# Altium PCB IOTLoRaSmartGreenhouseNode.PcbDoc
Units mil, origin at the board's own origin, x right, y up, seen from the top; angles counter-clockwise.
Board outline 3300 x 2600 mil, 2 copper layers (Top Layer, Bottom Layer); 21 components, 22 nets, 109 pads, 12 vias.
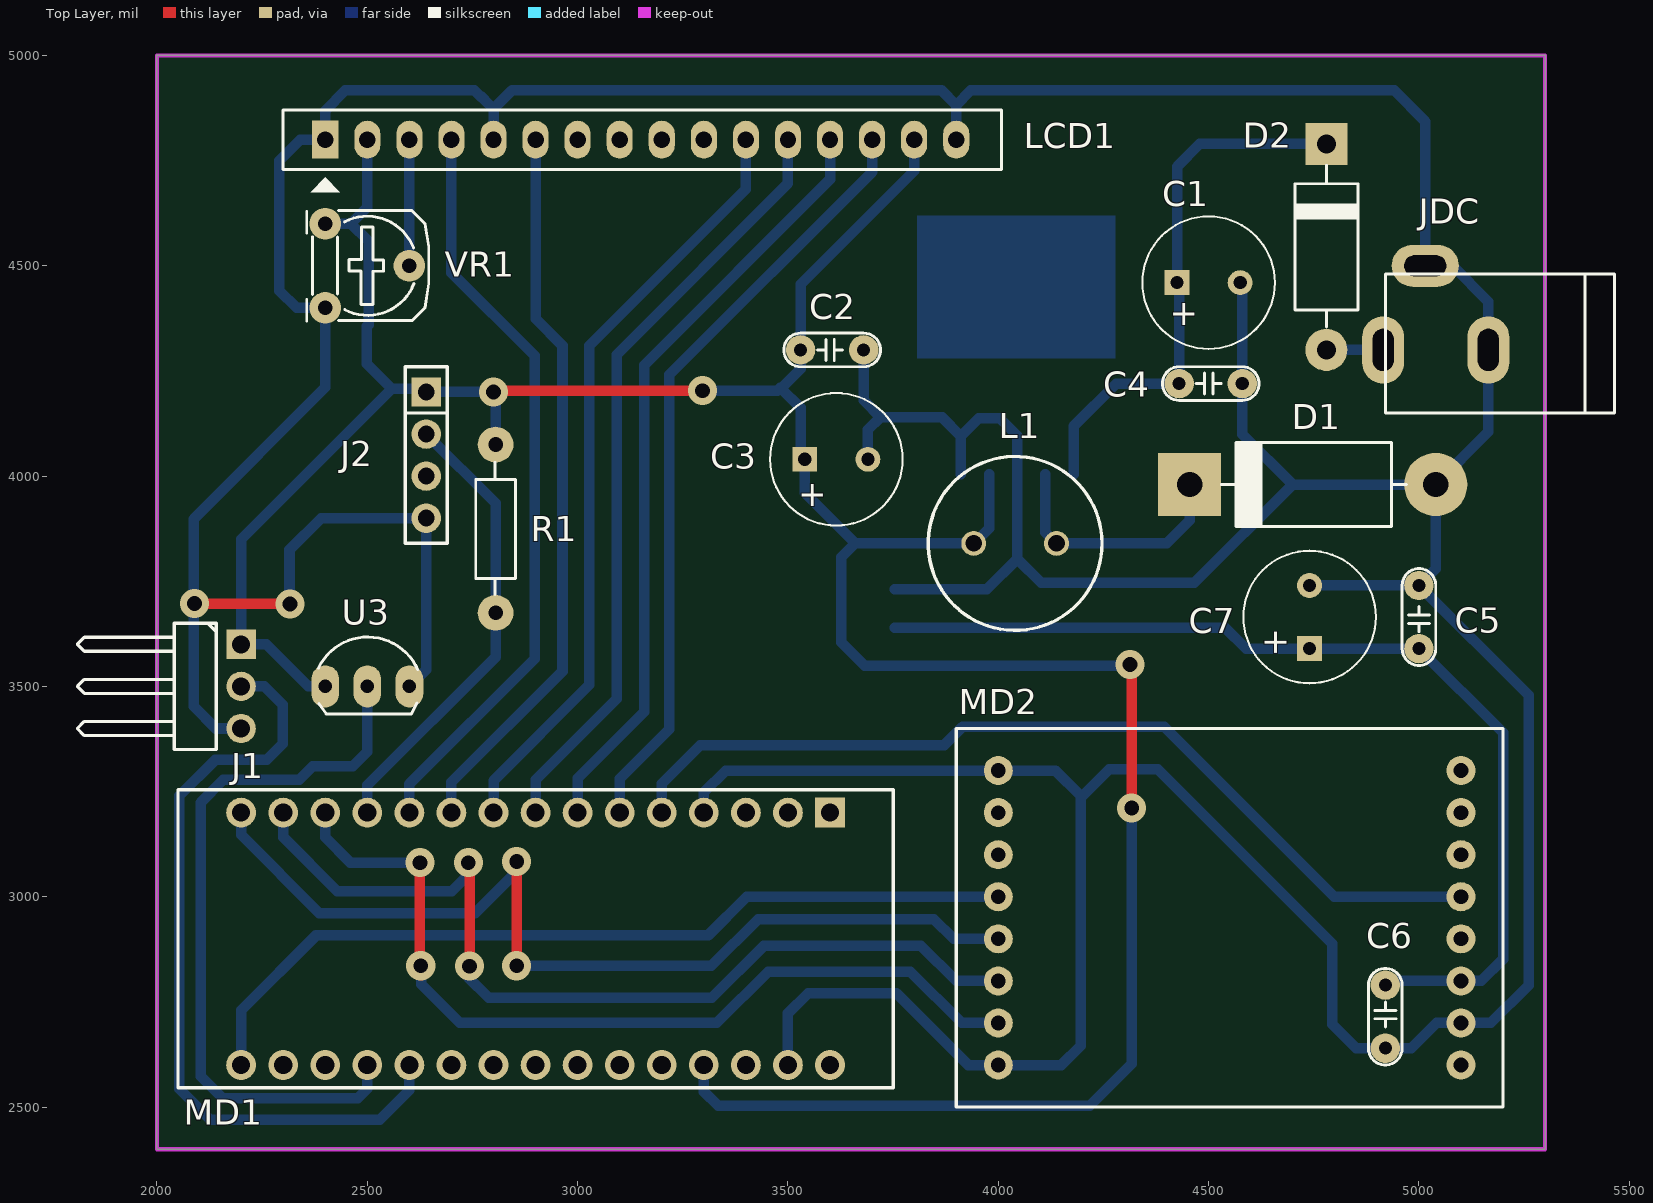
[diagram p0: Top Layer view]
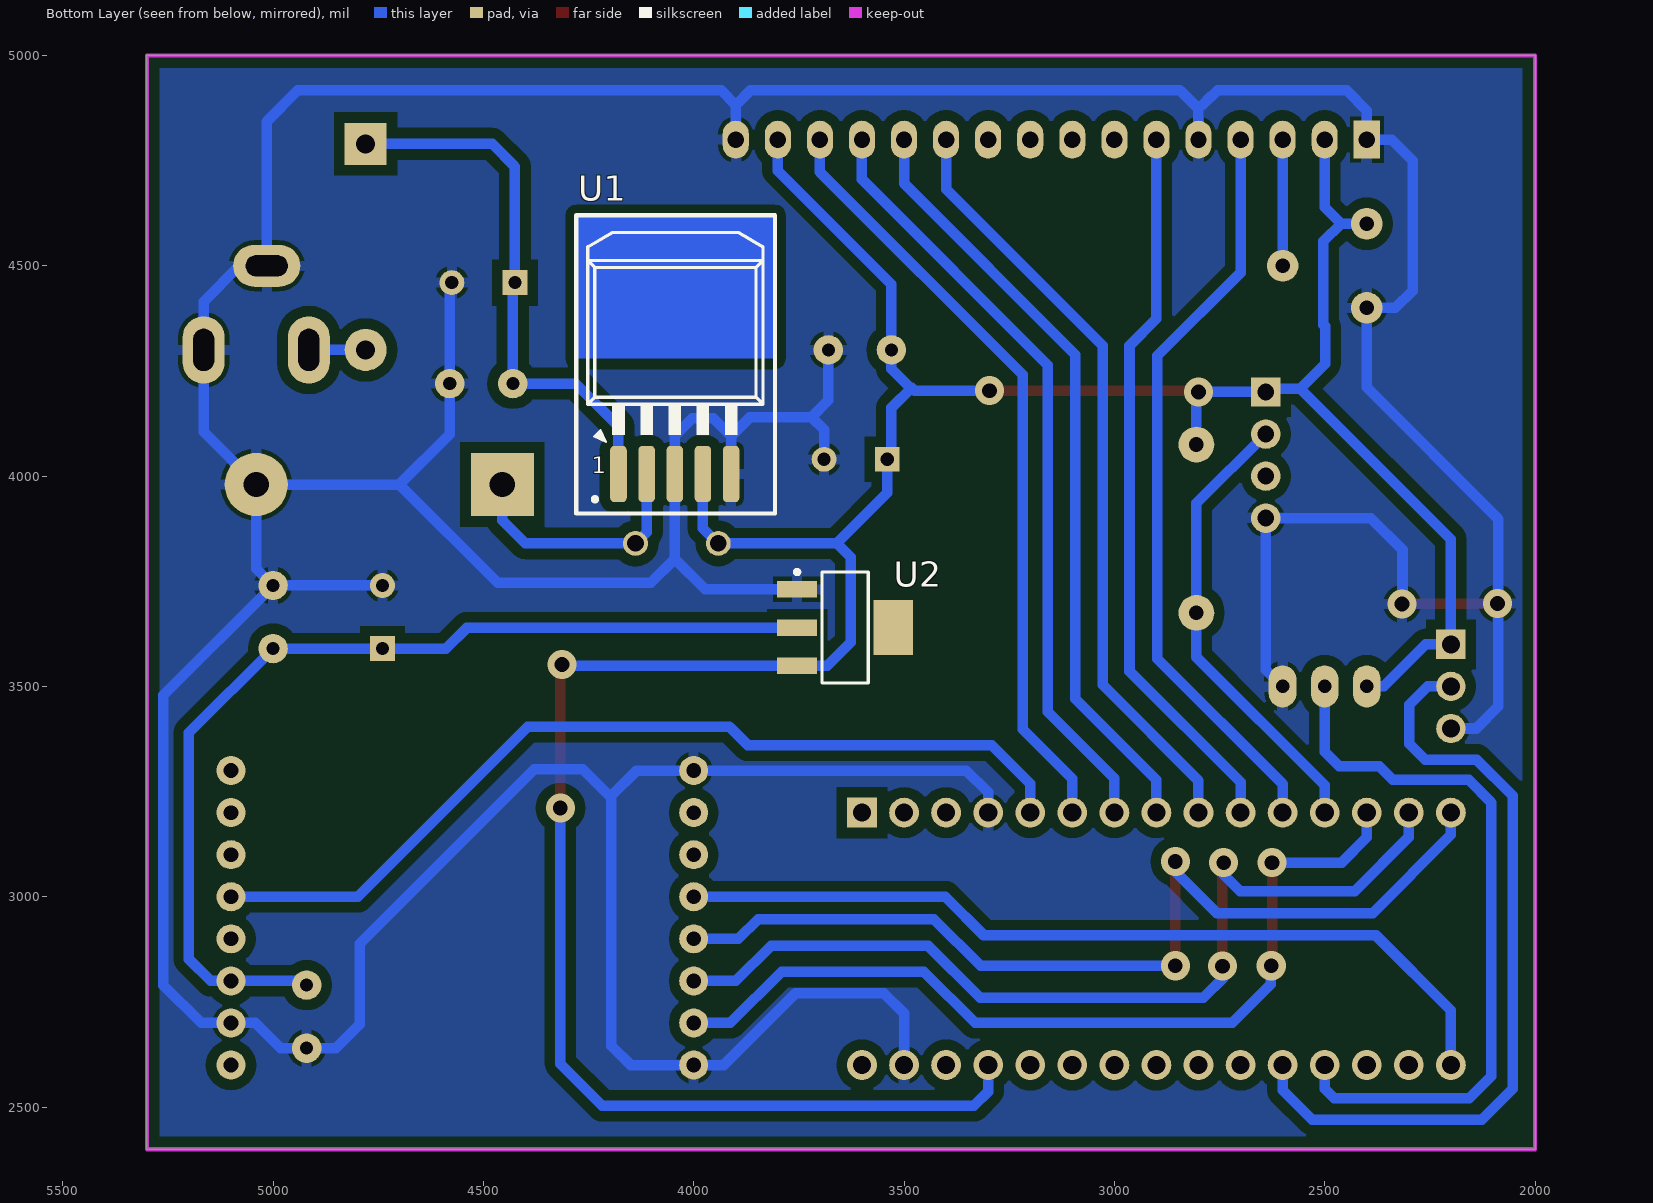
[diagram p1: Bottom Layer view, seen from below]

## Layer stack, top to bottom
Top Solder: solder mask 0.4, Solder Resist, Dk 3.5
Top Layer: signal copper 1.4
Dielectric 1: dielectric 12.6, FR-4, Dk 4.8
Bottom Layer: signal copper 1.4
Bottom Solder: solder mask 0.4, Solder Resist, Dk 3.5

## Board outline
2000,2400 5300,2400 5300,5000 2000,5000

## Design rules (kind name [scope] priority, off if disabled: settings)
Clearance Clearance_2 [InNamedPolygon('Bottom-GND')] p1: gap=25
Clearance Clearance_1 [InNamedPolygon('Bottom-GND')] p2: gap=20
Clearance [All] p3: gap=10
PolygonConnect PolygonConnect_1 [All vs IsNamedPolygon('Bottom-GND')] p1: connectstyle=Relief reliefconductorwidth=25 reliefentries=4 polygonreliefangle="90 Angle" airgapwidth=10
PolygonConnect [All] p2: connectstyle=Relief reliefconductorwidth=10 reliefentries=4 polygonreliefangle="90 Angle" airgapwidth=10
RoutingVias [All] p1: holewidth=35 width=69 viastyle="Through Hole" minholewidth=28 minwidth=69 maxholewidth=50 maxwidth=69
SolderMaskExpansion [All] p1: expansion=4
Width [All] p1: maxlimit=50 minlimit=10 preferedwidth=25
30 further rules are at their usual default settings.

## Components (designator, comment, footprint, x,y, rotation, side; value= is the part's Value field where it differs from the comment)
C1 "220uF" CA-ALU-8 4500,4460 r0 top
C2 "100nF" CN1.5 3600,4300 r0 top
C3 "220uF" CA-ALU-8 3615,4040 r0 top
C4 "100nF" CN1.5 4500,4220 r0 top
C5 "100nF" CN1.5 5000,3660 r90 top
C6 "100nF" CN1.5 4920,2720 r270 top
C7 "220uF" CA-ALU-8 4740,3665 r90 top
D1 "1N5824" DIO-5A 4480,3980 r0 top
D2 "Diode" DIO-3A 4780,4815 r270 top
J1 "JP3" JP3-D1C 2100,3350 r270 top
J2 "DHT11" JP4-C1T 2640,4200 r270 top
JDC "9VDC" DC0 5040,4400 r180 top
L1 "33uH" L-DIP-M-10 4040,3840 r180 top
LCD1 "LCD 16x2A" LCD16X2N 2400,4800 r0 top locked
MD1 "ARDUINO-NANO" ARDUINO-NANO 2900,2900 r0 top locked
MD2 "LORA-SOCKET" LORA-SOCKET 4800,2700 r180 top locked
R1 "4.7k" RES-1/4W 2800,3860 r270 top
U1 "LM2976" TO263 4060,4240 r180 bottom
U2 "LM1117-3.3V" SOT223 3640,3640 r270 bottom
U3 "LM35" TO92-123 2500,3500 r0 top
VR1 "10k" VR-S2 2400,4600 r270 top

## Footprints (in the part's own frame and the unit in brackets; to place one, negate y for a bottom-side part, rotate by r counter-clockwise, add the part's x,y. Pads: shape width x height; smd on the part's side, far side on the other; paste and mask are expansions set on the pad)
ARDUINO-NANO [mm]
  rect 1.8x1.8 hole 1.1: 1(17.78,7.62)
  round 1.8 hole 1.1: 2(15.24,7.62) 3(12.7,7.62) 4(10.16,7.62) 5(7.62,7.62) 6(5.08,7.62) 7(2.54,7.62) 8(0,7.62) 9(-2.54,7.62) 10(-5.08,7.62) 11(-7.62,7.62) 12(-10.16,7.62) 13(-12.7,7.62) 14(-15.24,7.62) 15(-17.78,7.62) 16(-17.78,-7.62) 17(-15.24,-7.62) 18(-12.7,-7.62) 19(-10.16,-7.62) 20(-7.62,-7.62) 21(-5.08,-7.62) 22(-2.54,-7.62) 23(0,-7.62) 24(2.54,-7.62) 25(5.08,-7.62) 26(7.62,-7.62) 27(10.16,-7.62) 28(12.7,-7.62) 29(15.24,-7.62) 30(17.78,-7.62)
  silkscreen extent -21.59,-9 21.6,9, body extent -23.4,-9 21.6,9, height 12.72
CA-ALU-8 [mm] "Polarized capacitors, Aluminum Electrolytic Capacitors, 2-Leads, Body 8x16x3.5x0.5"
  rect 1.5x1.5 hole 0.8: 1(-1.905,0)
  round 1.5 hole 0.8: 2(1.905,0)
  silkscreen extent -4,-4 4,4, body extent -4.1,-4.1 4.1,4.1, height 14.4
CN1.5 [mil]
  round 70 hole 31: 1(-70,0) 2(80,0)
  silkscreen extent -110,-40 120,40, body extent -110,-33 120,33, height 235
DC0 [mil] "Jac DC input"
  oval 100x160 hole 50 slot 100 at 90 deg: 1(125,100) 2(-125,100)
  oval 160x100 hole 50 slot 100 at 0 deg: 3(25,-100)
  silkscreen extent -425,-80 120,250, body extent -410,-105 134,269, height 434
DIO-3A [mil] "Diode 3A"
  round 100 hole 45: 1(515,0)
  rect 100x100 hole 45: 2(25,0)
  silkscreen extent 76,-75 461,75, body extent 4,-72 536,70, height 142
DIO-5A [mil] "Diode 5A, W 200mil, L 550mil"
  round 150 hole 60: 1(560,0)
  rect 150x150 hole 60: 2(-25,0)
  silkscreen extent 50,-100 490,100, body extent -52,-106 590,103, height 211
JP3-D1C [mil] "3 pins, 1 row, right angled, gold plating"
  rect 70x70 hole 43.31: 1(-250,100)
  round 70 hole 43.31: 2(-150,100) 3(-50,100)
  silkscreen extent -300,-289 0,41, body extent -300,-296 0,112, height 100
JP4-C1T [mil] "4 row, straight, gold plating"
  rect 70x70 hole 40.16: 1(0,0)
  round 70 hole 40.16: 2(100,0) 3(200,0) 4(300,0)
  silkscreen extent -60,-50 360,50, body extent -60,-49 360,49, height 335
L-DIP-M-10 [mm] "THT Inductor, 2-Leads, Body 10,0  mm"
  round 1.5 hole 1: 1(-2.5,0) 2(2.5,0)
  silkscreen extent -5.25,-5.25 5.25,5.25, body extent -4.98,-4.97 4.98,4.97, height 14.1
LCD16X2N [mil] "LCD dipslay 16x2, 16 pin"
  rect 62x90 hole 39: 1(0,0)
  oval 62x90 hole 39: 2(100,0) 3(200,0) 4(300,0) 5(400,0) 6(500,0) 7(600,0) 8(700,0) 9(800,0) 10(900,0) 11(1000,0) 12(1100,0) 13(1200,0) 14(1300,0) 15(1400,0) 16(1500,0)
  silkscreen extent -100,-125 1608,70, body extent -320,-1353 2850,84, height 764
LORA-SOCKET [mil]
  round 69 hole 35: 1(-300,100) 2(-300,0) 3(-300,-100) 4(-300,-200) 5(-300,-300) 6(-300,-400) 7(-300,-500) 8(-300,-600) 9(800,-600) 10(800,-500) 11(800,-400) 12(800,-300) 13(800,-200) 14(800,-100) 15(800,0) 16(800,100)
  silkscreen extent -400,-700 900,200, body extent -400,-700 900,200, height 246
RES-1/4W [mil]
  round 85 hole 35: 1(-215,5) 2(185,5)
  silkscreen extent -173,-42 141,52, body extent -227,-42 197,52, height 95
SOT223 [mm]
  rect 1x2.4 smd: 1(-2.3,-2.9) 2(0,-2.9) 3(2.3,-2.9)
  rect 3.3x2.4 smd: 4(0,2.9)
  silkscreen extent -3.47,-3.03 3.35,1.4, body extent -3.25,-3.56 3.25,3.4, height 1.68
TO92-123 [mil] "TO-92"
  oval 66x100 hole 32: 1(-100,0) 2(0,0) 3(100,0)
  silkscreen extent -117,-65 120,118, body extent -109,-66 109,95, height 245
TO263 [mm]
  rrect50% 1x3.4 smd: 1(-3.019,-5.969) 2(-1.319,-5.969) 4(2.081,-5.969) 5(3.781,-5.969)
  rrect50% 1x3.4 smd mask+0: 3(0.381,-5.969)
  Top Layer region: -5.568,9.65 6.432,9.65 6.432,1.016 -5.568,1.016
  silkscreen extent -5.57,-8.35 6.43,9.65, body extent -4.73,-6.84 5.43,7.8, height 4.57
VR-S2 [mil] "Resistor Variable"
  round 75 hole 35: 1(0,0) 2(100,200) 3(200,0)
  silkscreen extent -31,-44 231,246, body extent -87,-30 307,372, height 165

## Part data
C1 C3 C7: library part CN-ALU-DIP, "Capacitor (Semiconductor SIM Model)"
C2 C4 C5 C6: library part CN
D1: library part Diode, "Default Diode"
D2: "Default Diode"
J1: "WR-PHD 2.54 mm Angled Socket Header"
JDC: library part DCIN, "Jac DC input"
L1: library part L-DIP-1, "Inductor"
LCD1: library part LCD16x2A, "LCD dipslay 16 char, 2 line"
MD1: "KIT Arduino Nano"
MD2: "Socket LoRa RA01 va RA02"
R1: library part Res, "Res"
U1: library part LM2596
U2: library part LM1117, "800mA Low-Dropout Linear Regulator"
U3: "Teminal"
VR1: library part VR-S, "Var Resistor"

## Via types
v1: diameter 69, hole 35, Top Layer to Bottom Layer, tented both sides, 12 vias

## Nets (pads, with @x,y where several pads share a name; then routed paths per layer and width w, separated by ;. In a path a pad name is that pad's centre, name@x,y a point inside that pad or via, vN(x,y) a via of type N, cw(c..) or ccw(c..) an arc to the next point about the centre after c; other vN are vias at no path point)
3V3: MD1.17
5V: C2.1 C3.1 J1.1 J2.1 L1.2 LCD1.2 LCD1.15 MD1.27 R1.1 U1.4 U2.3 U3.1 VR1.1 | length 7442.7
  Top Layer w25: v1(2800,4200) 2803,4203 v1(3297,4203) ; v1(4313,3552) 4317,3548 v1(4317,3211)
  Bottom Layer w25: U3.1 2360,3500 2260,3600 J1.1 2200,3850 2558,4208 ; VR1.1 2461,4600 ; LCD1.2 2500,4639 2461,4600 ; R1.1 2805,4195 v1(2800,4200) J2.1 2632,4208 2558,4208 ; v1(3297,4203) 3475,4203 3482,4210 ; MD1.27 3300,2537 3334,2503 4217,2503 4317,2603 v1(4317,3211) ; LCD1.15 3800,4726 3530,4456 C2.1 3530,4255 3485,4210 3482,4210 ; U1.4 3978.07,3876.5 L1.2 3660,3840 ; v1(4313,3552) 4310.45,3549.45 U2.3 3682.55,3549.45 3627,3605 3627,3807 3660,3840 ; 2461,4600 2503,4558 2503,4360 2499,4356 2499,4267 2558,4208 ; 3482,4210 3530,4162 3530,4050 C3.1 3540,3960 3660,3840
A0: MD1.19 U3.2 | length 1735.2
  Bottom Layer w25: MD1.19 2500,2544 2477,2521 2156,2521 2104,2573 2104,3224 2158,3278 2338,3278 2370,3310 2465,3310 2500,3345 U3.2
A1: J1.2 MD1.20 | length 1869.2
  Bottom Layer w25: J1.2 2255,3500 2299,3456 2299,3364 2261,3326 2139,3326 2053,3240 2053,2544 2127,2470 2530,2470 2600,2540 MD1.20
D2: MD1.5 MD2.5 | length 2192.3
  Bottom Layer w25: MD1.5 3200,3269 3291,3360 3871,3360 3915,3404 4395,3404 4799,3000 MD2.5
D3: LCD1.14 MD1.6 | length 1848.5
  Bottom Layer w25: MD1.6 3100,3281 3217.5,3398.5 3217.5,4240.5 3700,4723 LCD1.14
D4: LCD1.13 MD1.7 | length 1848.5
  Bottom Layer w25: MD1.7 3000,3282 3158,3440 3158,4264 3600,4706 LCD1.13
D5: LCD1.12 MD1.8 | length 1848.5
  Bottom Layer w25: MD1.8 2900,3278 3093,3471 3093,4289 3500,4696 LCD1.12
D6: LCD1.11 MD1.9 | length 1848.5
  Bottom Layer w25: MD1.9 2800,3276 3028,3504 3028,4310 3400,4682 LCD1.11
D7: LCD1.6 MD1.10 | length 1735.9
  Bottom Layer w25: MD1.10 2700,3272 2964,3536 2964,4310 2900,4374 LCD1.6
D8: LCD1.4 MD1.11 | length 1805.4
  Bottom Layer w25: MD1.11 2600,3268 2898,3566 2898,4286 2700,4484 LCD1.4
D9: J2.2 MD1.12 R1.2 | length 1094.7
  Bottom Layer w25: MD1.12 2500,3265 2805,3570 R1.2 2805,3935 J2.2
D10: MD1.13 MD2.15 | length 2131.4
  Top Layer w25: v1@2625,2836 v1(2625,3081) ; v1@2627,2814 v1(2627,2836)
  Bottom Layer w25: MD1.13 2400,3141 2460,3081 v1(2625,3081) ; v1(2627,2836) 2628,2835 2628,2792 2720,2700 3331,2700 3453,2822 3791,2822 3913,2700 MD2.15
D11: MD1.14 MD2.14 | length 2245.7
  Top Layer w25: v1(2740,3081) 2743,3078 v1(2743,2835)
  Bottom Layer w25: MD1.14 2300,3142 2429,3013 2701,3013 2740,3052 v1(2740,3081) ; v1(2743,2835) 2743,2817.48 2739.2,2821.28 2740.58,2807.75 2788.33,2760 3319,2760 3443,2884 3816,2884 3900,2800 MD2.14
D12: MD1.15 MD2.13 | length 2308.5
  Top Layer w25: v1(2855,2836) v1(2855,3084)
  Bottom Layer w25: MD1.15 2200,3147 2386,2961 2756,2961 2855,3060 v1(2855,3084) ; v1(2855,2836) 3318,2836 3429,2947 3847,2947 3894,2900 MD2.13
D13: MD1.16 MD2.12 | length 2041.8
  Bottom Layer w25: MD1.16 2200,2730 2378,2908 3310,2908 3402,3000 MD2.12
GND: C1.2 C2.2 C3.2 C4.2 C5.2 C6.2 C7.2 D1.1 J1.3 J2.4 JDC.2 JDC.3 LCD1.1 LCD1.5 LCD1.16 MD1.4 MD1.29 MD2.2 MD2.9 MD2.16 U1.3 U1.5 U2.1 U3.3 VR1.3 | length 15508.2
  Top Layer w25: v1(2089,3697) 2090,3696 v1(2316,3696)
  Bottom Layer w25: J1.3 2140,3400 2087,3453 2087,3898 2400,4211 VR1.3 2332,4400 2291,4441 2291,4750 2341,4800 LCD1.1 2400,4869 2448,4917 2754,4917 2769.5,4901.5 2771.5,4901.5 2790,4883 ; v1(2316,3696) 2316,3715 2315,3716 2315,3825 2390,3900 J2.4 2640,3540 U3.3 ; LCD1.5 2800,4873 2844,4917 3865,4917 3900,4882 ; MD1.4 3300,3248 3352,3300 MD2.9 4136,3300 4196,3240 ; MD1.29 3500,2723 3548,2771 3758,2771 3929,2600 MD2.16 4150,2600 4196,2646 4196,3240 ; C2.2 3680,4180 3720,4140 ; C3.2 3690,4110 3720,4140 ; U2.1 3972.55,3730.55 4045,3803 ; LCD1.16 3900,4882 ; U1.5 3911.14,4095.14 ; C1.2 4580,4455 C4.2 4580,4100 4700,3980 ; C7.2 C5.2 ; 3720,4140 3866.28,4140 3911.14,4095.14 ; 3900,4882 3935,4917 4941,4917 5015,4843 JDC.3 5080,4500 5165,4415 JDC.2 5165,4105 D1.1 ; 3911.14,4095.14 3954,4138 4003,4138 4045,4096 U1.3 4045,3803 ; 4045,3803 4102,3746 4466,3746 4700,3980 ; 4196,3240 4201,3240 4264,3303 4379,3303 4794,2888 4794,2697 4851,2640 C6.2 4982,2640 5042,2700 MD2.2 5171,2700 5261,2790 5261,3479 C5.2 ; 4700,3980 D1.1 ; C5.2 5040,3780 D1.1
NetC1_1: C1.1 C4.1 D2.2 U1.1 | length 1302.3
  Bottom Layer w25: U1.1 4178.86,4118.86 4280,4220 C4.1 4430,4455 C1.1 4425,4736 4479,4790 D2.2
NetD1_2: D1.2 L1.1 U1.2 | length 660.3
  Bottom Layer w25: U1.2 4111.93,3866.5 L1.1 4400,3840 4455,3895 D1.2 D1.2@4455,4040
NetD2_1: D2.1 JDC.1 | length 135
  Bottom Layer w25: D2.1 JDC.1
NetLCD1_3: LCD1.3 VR1.2 | length 300
  Bottom Layer w25: VR1.2 LCD1.3
VLORA: C5.1 C6.1 C7.1 MD2.3 U2.2 | length 2393.1
  Bottom Layer w25: U2.2 4539,3640 4589,3590 C7.1 C5.1 5200,3390 5200,2852 5148,2800 MD2.3 4930,2800 C6.1
pads on no net: J2.3 LCD1.7 LCD1.8 LCD1.9 LCD1.10 MD1.1 MD1.2 MD1.3 MD1.18 MD1.21 MD1.22 MD1.23 MD1.24 MD1.25 MD1.26 MD1.28 MD1.30 MD2.1 MD2.4 MD2.6 MD2.7 MD2.8 MD2.10 MD2.11 U2.4

## Polygon pours and split planes (outlines as drawn)
GND on Bottom Layer "Bottom-GND" (solid, remove dead copper, pour order 0): 2000,2400 5300,2400 5300,5000 2000,5000

## Keep-outs
Keep-Out Layer:
  the board outline again, w10

## Text inside footprints (layer, text, board x,y; h text height)
C1: Top Overlay "+" at 4408,4359 h59.06
C3: Top Overlay "+" at 3525,3928 h59.06
C7: Top Overlay "+" at 4686,3570 h59.06 r90
U1: Bottom Overlay "1" at 4242.86,4007 h39.37